# Altium PCB IntelligentCarFor51PcbDoc.PcbDoc (part 3 of 14)
Units mil, origin at the board's own origin, x right, y up, seen from the top; angles counter-clockwise.
Board outline 2298.05 x 2090.03 mil, 2 copper layers (Top Layer, Bottom Layer); 55 components, 66 nets, 258 pads, 143 vias.
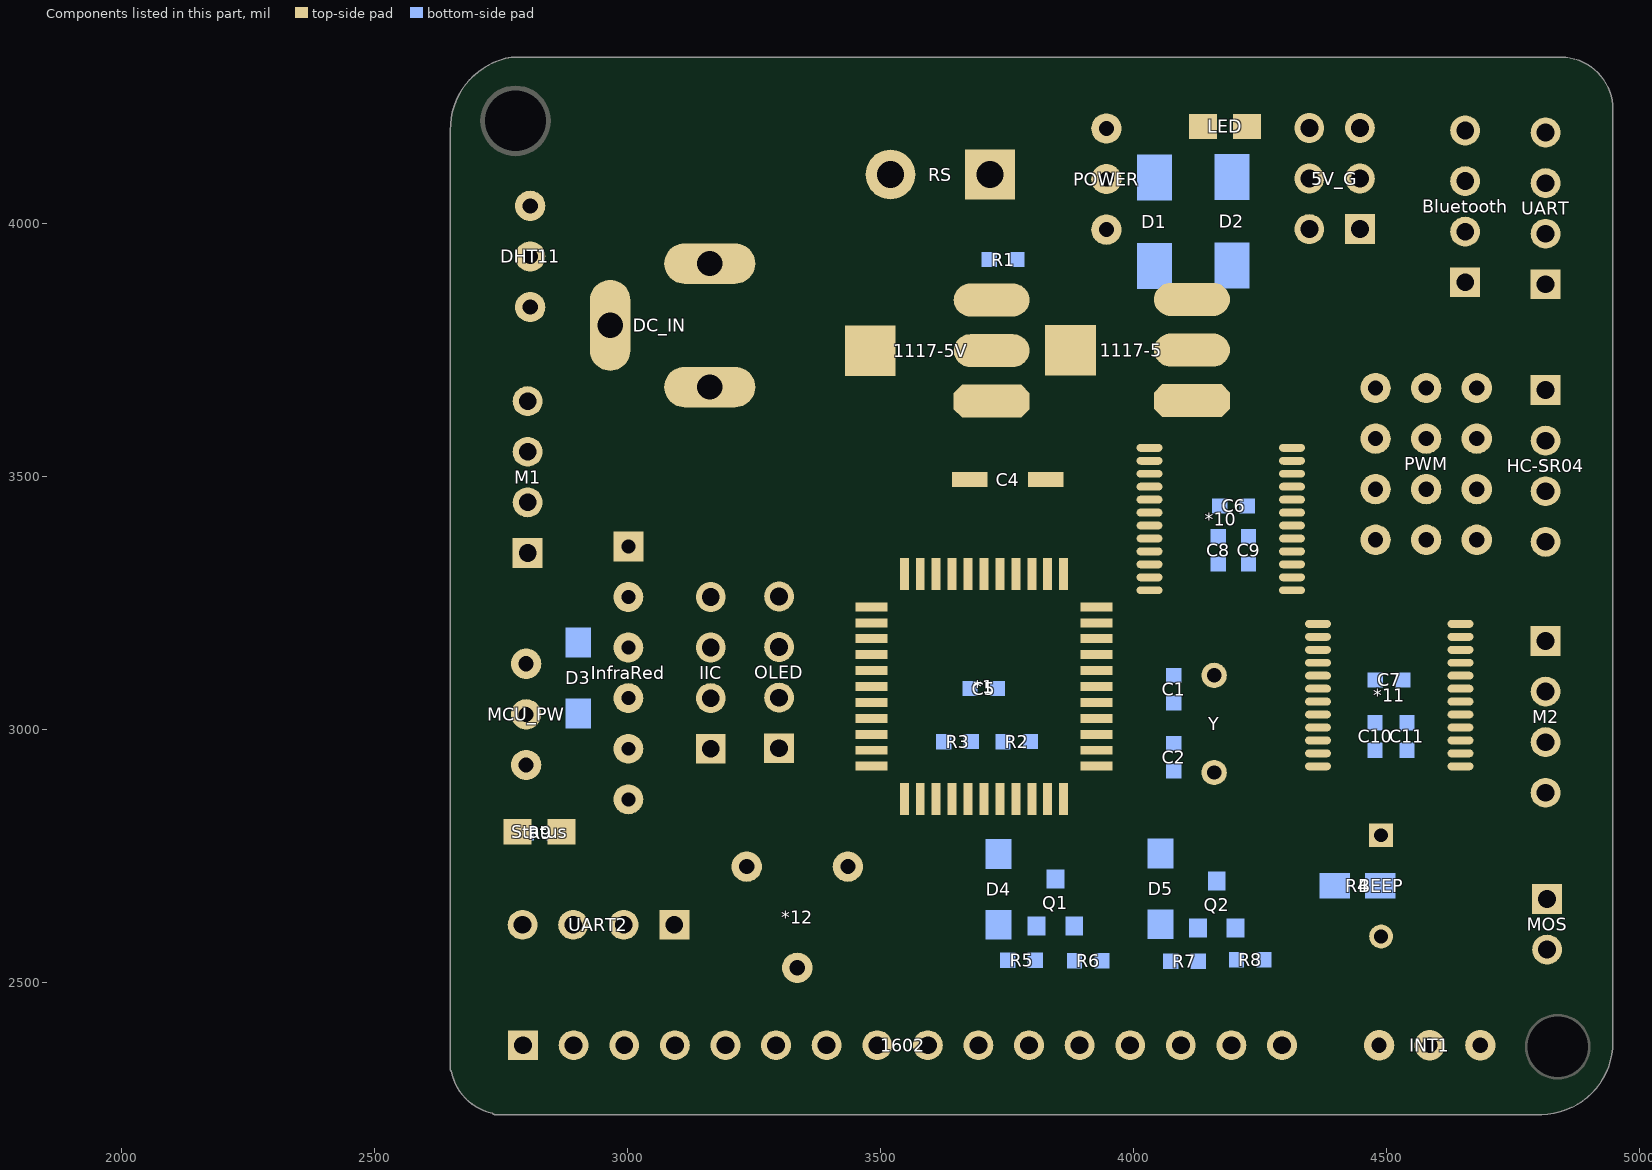
[diagram p3: the components of this part, seen from the top]

## Via types
v1: diameter 12, hole 8, Top Layer to Bottom Layer, 53 vias
v2: diameter 10, hole 7, Top Layer to Bottom Layer, 20 vias
v3: diameter 20, hole 12, Top Layer to Bottom Layer, 15 vias
v4: diameter 35, hole 25, Top Layer to Bottom Layer, 13 vias
v5: diameter 15, hole 10, Top Layer to Bottom Layer, 10 vias
v6: diameter 18, hole 12, Top Layer to Bottom Layer, 10 vias
v7: diameter 50, hole 35, Top Layer to Bottom Layer, 7 vias
v8: diameter 30, hole 20, Top Layer to Bottom Layer, 5 vias
v9: diameter 12, hole 7, Top Layer to Bottom Layer, 3 vias
v10: diameter 25, hole 18, Top Layer to Bottom Layer, 2 vias
v11: diameter 40, hole 30, Top Layer to Bottom Layer, 2 vias
v12: diameter 8, hole 7, Top Layer to Bottom Layer, 1 vias
v13: diameter 30, hole 22, Top Layer to Bottom Layer, 1 vias
v14: diameter 24, hole 18, Top Layer to Bottom Layer, 1 vias

## Nets (pads, with @x,y where several pads share a name; then routed paths per layer and width w, separated by ;. In a path a pad name is that pad's centre, name@x,y a point inside that pad or via, vN(x,y) a via of type N, cw(c..) or ccw(c..) an arc to the next point about the centre after c; other vN are vias at no path point) (continued)
copper on no net: (continued)
  Top Layer w0.3: 2080.7,3655.9 2083.4,3655.9 ; 2080.7,3669.4 2082.5,3669.4 ; 2080.7,3683.8 2082.8,3683.8 ; 2080.9,3973.9 2082.7,3973.9 ; 2080.9,3981.7 2085.4,3981.7 ; 2080.9,3982 2085.4,3982 ; 2080.9,3995.8 2085.4,3995.8 ; 2080.9,3996.1 2085.4,3996.1 ; 2080.9,4003.9 2082.7,4003.9 ; 2080.9,4013.2 2087.2,4013.2 ; 2080.9,4026.1 2088.7,4026.1 ; 2080.9,4031.5 2088.7,4031.5 ; 2080.9,4031.8 2088.7,4031.8 ; 2080.9,4070.5 2164.9,4070.5 ; 2081,3663.1 2104.7,3663.1 ; 2081,3670.9 2083.4,3670.9 ; 2081,3677.8 2083.7,3677.8 ; 2081,3684.1 2083.4,3684.1 ; 2081.2,3974.2 2082.7,3974.2 ; 2081.2,3982.3 2085.7,3982.3 ; 2081.2,3982.6 2085.7,3982.6 ; 2081.2,3995.2 2085.7,3995.2 ; 2081.2,3995.5 2085.7,3995.5 ; 2081.2,4003.6 2083,4003.6 ; 2081.2,4009.9 2084.5,4009.9 ; 2081.2,4018 2230.6,4018 ; 2081.2,4025.8 2088.4,4025.8 ; 2081.2,4032.1 2088.4,4032.1 ; 2081.3,3647.8 2085.5,3647.8 ; 2081.3,3671.2 2083.4,3671.2 ; 2081.3,3671.5 2083.4,3671.5 ; 2081.3,3677.5 2083.7,3677.5 ; 2081.5,3974.5 2083,3974.5 ; 2081.5,3982.9 2085.7,3982.9 ; 2081.5,3983.2 2086,3983.2 ; 2081.5,3983.5 2086,3983.5 ; 2081.5,3994.3 2086,3994.3 ; 2081.5,3994.6 2085.7,3994.6 ; 2081.5,3994.9 2085.7,3994.9 ; 2081.5,4003.3 2083,4003.3 ; 2081.5,4009.6 2084.8,4009.6 ; 2081.5,4012.9 2087.2,4012.9 ; 2081.5,4017.7 2230,4017.7 ; 2081.5,4025.5 2088.1,4025.5 ; 2081.5,4032.4 2088.1,4032.4 ; 2081.6,3671.8 2083.4,3671.8 ; 2081.6,3672.1 2083.4,3672.1 ; 2081.6,3676.9 2083.7,3676.9 ; 2081.6,3677.2 2083.7,3677.2 ; 2081.6,3684.4 2083.7,3684.4 ; 2081.8,3974.8 2083.3,3974.8 ; 2081.8,3983.8 2086,3983.8 ; 2081.8,3984.1 2086,3984.1 ; 2081.8,3984.4 2086.3,3984.4 ; 2081.8,3984.7 2086.3,3984.7 ; 2081.8,3993.4 2086.3,3993.4 ; 2081.8,3993.7 2086,3993.7 ; 2081.8,3994 2086,3994 ; 2081.8,4003 2083.3,4003 ; 2081.8,4009.3 2085.1,4009.3 ; 2081.8,4012.6 2087.5,4012.6 ; 2081.8,4025.2 2087.8,4025.2 ; 2081.9,3672.4 2083.7,3672.4 ; 2081.9,3672.7 2083.7,3672.7 ; 2081.9,3673 2083.7,3673 ; 2081.9,3673.3 2083.7,3673.3 ; 2081.9,3676 2083.7,3676 ; 2081.9,3676.3 2083.7,3676.3 ; 2081.9,3676.6 2083.7,3676.6 ; 2082.1,3975.1 2083.6,3975.1 ; 2082.1,3985 2086.3,3985 ; 2082.1,3985.3 2086.3,3985.3 ; 2082.1,3985.6 2086.3,3985.6 ; 2082.1,3985.9 2086.6,3985.9 ; 2082.1,3991.9 2086.3,3991.9 ; 2082.1,3992.2 2086.3,3992.2 ; 2082.1,3992.5 2086.3,3992.5 ; 2082.1,3992.8 2086.3,3992.8 ; 2082.1,3993.1 2086.3,3993.1 ; 2082.1,4002.7 2083.6,4002.7 ; 2082.1,4009 2085.4,4009 ; 2082.1,4012.3 2087.8,4012.3 ; 2082.1,4017.4 2229.7,4017.4 ; 2082.1,4032.7 2087.5,4032.7 ; 2082.2,3647.5 2087,3647.5 ; 2082.2,3673.6 2083.7,3673.6 ; 2082.2,3673.9 2083.7,3673.9 ; 2082.2,3674.2 2083.7,3674.2 ; 2082.2,3674.5 2083.7,3674.5 ; 2082.2,3674.8 2083.7,3674.8 ; 2082.2,3675.1 2083.7,3675.1 ; 2082.2,3675.4 2083.7,3675.4 ; 2082.2,3675.7 2083.7,3675.7 ; 2082.2,3684.7 2084.3,3684.7 ; 2082.4,3975.4 2083.9,3975.4 ; 2082.4,3975.7 2083.9,3975.7 ; 2082.4,3986.2 2086.6,3986.2 ; 2082.4,3986.5 2086.6,3986.5 ; 2082.4,3986.8 2086.6,3986.8 ; 2082.4,3987.1 2086.6,3987.1 ; 2082.4,3987.4 2086.6,3987.4 ; 2082.4,3987.7 2086.6,3987.7 ; 2082.4,3988 2086.6,3988 ; 2082.4,3988.3 2086.6,3988.3 ; 2082.4,3988.6 2086.6,3988.6 ; 2082.4,3988.9 2086.6,3988.9 ; 2082.4,3989.2 2086.6,3989.2 ; 2082.4,3989.5 2086.6,3989.5 ; 2082.4,3989.8 2086.6,3989.8 ; 2082.4,3990.1 2086.6,3990.1 ; 2082.4,3990.4 2086.6,3990.4 ; 2082.4,3990.7 2086.6,3990.7 ; 2082.4,3991 2086.6,3991 ; 2082.4,3991.3 2086.6,3991.3 ; 2082.4,3991.6 2086.6,3991.6 ; 2082.4,4002.4 2083.9,4002.4 ; 2082.4,4024.9 2087.2,4024.9 ; 2082.4,4033 2087.2,4033 ; 2082.5,3655.6 2083.1,3655.6 ; 2082.5,3685 2086.4,3685 ; 2082.7,3976 2084.2,3976 ; 2082.7,4001.8 2084.2,4001.8 ; 2082.7,4002.1 2083.9,4002.1 ; 2082.7,4008.7 2085.7,4008.7 ; 2082.7,4012 2088.1,4012 ; 2082.7,4017.1 2234.2,4017.1 ; 2082.7,4024.6 2086.9,4024.6 ; 2082.7,4063.6 2189.8,4063.6 ; 2082.8,3662.8 2107.1,3662.8 ; 2083,3976.3 2084.5,3976.3 ; 2083,4001.5 2084.5,4001.5 ; 2083,4008.4 2086,4008.4 ; 2083,4011.7 2088.4,4011.7 ; 2083,4016.8 2228.5,4016.8 ; 2083.1,3647.2 2088.8,3647.2 ; 2083.1,3685.3 2086.4,3685.3 ; 2083.3,3976.6 2084.5,3976.6 ; 2083.3,3976.9 2084.8,3976.9 ; 2083.3,4000.9 2084.8,4000.9 ; 2083.3,4001.2 2084.5,4001.2 ; 2083.3,4008.1 2086.3,4008.1 ; 2083.3,4011.4 2088.7,4011.4 ; 2083.3,4033.3 2086.3,4033.3 ; 2083.6,3977.2 2085.1,3977.2 ; 2083.6,4000.6 2085.1,4000.6 ; 2083.6,4007.8 2086.6,4007.8 ; 2083.6,4016.5 2227.9,4016.5 ; 2083.7,3685.6 2086.4,3685.6 ; 2083.9,3977.5 2085.1,3977.5 ; 2083.9,3977.8 2085.4,3977.8 ; 2083.9,4000 2085.4,4000 ; 2083.9,4000.3 2085.1,4000.3 ; 2083.9,4007.5 2086.9,4007.5 ; 2083.9,4011.1 2089,4011.1 ; 2083.9,4016.2 2235.1,4016.2 ; 2083.9,4024.3 2085.7,4024.3 ; 2084,3685.9 2086.4,3685.9 ; 2084.2,3978.1 2085.4,3978.1 ; 2084.2,3999.7 2085.4,3999.7 ; 2084.2,4006.9 2087.2,4006.9 ; 2084.2,4007.2 2086.9,4007.2 ; 2084.2,4010.8 2089.3,4010.8 ; 2084.3,3646.9 2090,3646.9 ; 2084.3,3666.1 2086.7,3666.1 ; 2084.5,3978.4 2085.7,3978.4 ; 2084.5,3978.7 2085.7,3978.7 ; 2084.5,3999.1 2085.7,3999.1 ; 2084.5,3999.4 2085.7,3999.4 ; 2084.5,4006.6 2087.5,4006.6 ; 2084.5,4010.5 2089.3,4010.5 ; 2084.5,4015.9 2227,4015.9 ; 2084.6,3656.2 2090.9,3656.2 ; 2084.6,3657.1 2090.9,3657.1 ; 2084.6,3657.4 2090.9,3657.4 ; 2084.6,3657.7 2090.9,3657.7 ; 2084.6,3658 2090.9,3658 ; 2084.6,3658.9 2090,3658.9 ; 2084.6,3662.5 2109.8,3662.5 ; 2084.6,3686.2 2086.4,3686.2 ; 2084.8,3979 2086,3979 ; 2084.8,3979.3 2086,3979.3 ; 2084.8,3998.5 2086,3998.5 ; 2084.8,3998.8 2086,3998.8 ; 2084.8,4006.3 2087.5,4006.3 ; 2084.8,4010.2 2089.6,4010.2 ; 2084.8,4015.6 2235.7,4015.6 ; 2084.9,3654.7 2090.6,3654.7 ; 2084.9,3655 2090.6,3655 ; 2084.9,3655.3 2090.6,3655.3 ; 2084.9,3655.6 2090.6,3655.6 ; 2084.9,3655.9 2090.9,3655.9 ; 2084.9,3656.5 2090.9,3656.5 ; 2084.9,3656.8 2090.9,3656.8 ; 2084.9,3658.3 2090.6,3658.3 ; 2084.9,3658.6 2090.6,3658.6 ; 2084.9,3659.2 2089.1,3659.2 ; 2084.9,3659.5 2087.6,3659.5 ; 2084.9,3659.8 2086.7,3659.8 ; 2084.9,3660.1 2085.5,3660.1 ; 2084.9,3666.4 2086.7,3666.4 ; 2084.9,3666.7 2086.4,3666.7 ; 2084.9,3667 2086.4,3667 ; 2084.9,3667.3 2086.4,3667.3 ; 2084.9,3667.6 2086.4,3667.6 ; 2084.9,3667.9 2086.4,3667.9 ; 2084.9,3668.2 2086.4,3668.2 ; 2084.9,3686.5 2086.4,3686.5 ; 2085.1,3979.6 2086.3,3979.6 ; 2085.1,3979.9 2086.3,3979.9 ; 2085.1,3997.9 2086.3,3997.9 ; 2085.1,3998.2 2086.3,3998.2 ; 2085.1,4006 2087.8,4006 ; 2085.1,4009.9 2089.9,4009.9 ; 2085.1,4015.3 2226.1,4015.3 ; 2085.2,3654.1 2090.6,3654.1 ; 2085.2,3654.4 2090.6,3654.4 ; 2085.2,3668.5 2086.4,3668.5 ; 2085.2,3668.8 2086.4,3668.8 ; 2085.2,3669.1 2086.4,3669.1 ; 2085.2,3669.4 2086.4,3669.4 ; 2085.2,3669.7 2086.4,3669.7 ; 2085.2,3670 2086.4,3670 ; 2085.2,3670.3 2086.4,3670.3 ; 2085.2,3670.6 2086.4,3670.6 ; 2085.2,3670.9 2086.4,3670.9 ; 2085.2,3671.2 2086.4,3671.2 ; 2085.2,3671.5 2086.4,3671.5 ; 2085.2,3671.8 2086.4,3671.8 ; 2085.2,3672.1 2086.1,3672.1 ; 2085.2,3672.4 2086.1,3672.4 ; 2085.2,3672.7 2086.1,3672.7 ; 2085.2,3673 2086.1,3673 ; 2085.2,3673.3 2086.1,3673.3 ; 2085.2,3673.6 2086.1,3673.6 ; 2085.2,3673.9 2086.1,3673.9 ; 2085.2,3674.2 2086.1,3674.2 ; 2085.2,3674.5 2086.1,3674.5 ; 2085.2,3674.8 2086.1,3674.8 ; 2085.2,3675.1 2086.1,3675.1 ; 2085.2,3675.4 2086.1,3675.4 ; 2085.2,3675.7 2086.1,3675.7 ; 2085.2,3676 2086.1,3676 ; 2085.2,3676.3 2086.1,3676.3 ; 2085.2,3676.6 2086.1,3676.6 ; 2085.2,3676.9 2086.1,3676.9 ; 2085.2,3677.2 2086.1,3677.2 ; 2085.2,3677.5 2086.1,3677.5 ; 2085.2,3677.8 2086.1,3677.8 ; 2085.2,3678.1 2086.1,3678.1 ; 2085.2,3678.4 2086.1,3678.4 ; 2085.2,3678.7 2086.1,3678.7 ; 2085.2,3679 2086.1,3679 ; 2085.2,3679.3 2086.1,3679.3 ; 2085.2,3679.6 2086.1,3679.6 ; 2085.2,3679.9 2086.1,3679.9 ; 2085.2,3680.2 2086.1,3680.2 ; 2085.2,3680.5 2086.1,3680.5 ; 2085.2,3680.8 2086.1,3680.8 ; 2085.2,3681.1 2086.1,3681.1 ; 2085.2,3681.4 2086.1,3681.4 ; 2085.2,3681.7 2086.1,3681.7 ; 2085.2,3682 2086.1,3682 ; 2085.2,3682.3 2086.1,3682.3 ; 2085.2,3682.6 2086.1,3682.6 ; 2085.2,3682.9 2086.4,3682.9 ; 2085.2,3683.2 2086.1,3683.2 ; 2085.2,3683.5 2086.4,3683.5 ; 2085.2,3683.8 2086.4,3683.8 ; 2085.2,3684.1 2086.4,3684.1 ; 2085.2,3684.4 2086.4,3684.4 ; 2085.2,3684.7 2086.4,3684.7 ; 2085.2,3686.8 2086.4,3686.8 ; 2085.2,3687.1 2086.4,3687.1 ; 2085.2,3687.4 2086.4,3687.4 ; 2085.2,3687.7 2086.4,3687.7 ; 2085.2,3688 2086.4,3688 ; 2085.2,3688.3 2086.4,3688.3 ; 2085.4,3980.2 2086.6,3980.2 ; 2085.4,3980.5 2086.6,3980.5 ; 2085.4,3980.8 2086.9,3980.8 ; 2085.4,3997 2086.9,3997 ; 2085.4,3997.3 2086.6,3997.3 ; 2085.4,3997.6 2086.6,3997.6 ; 2085.4,4005.4 2088.1,4005.4 ; 2085.4,4005.7 2088.1,4005.7 ; 2085.4,4009.6 2090.2,4009.6 ; 2085.4,4015 2225.8,4015 ; 2085.5,3646.6 2091.5,3646.6 ; 2085.5,3688.6 2086.4,3688.6 ; 2085.5,3688.9 2086.7,3688.9 ; 2085.5,3689.2 2086.7,3689.2 ; 2085.5,3689.5 2086.7,3689.5 ; 2085.5,3689.8 2086.7,3689.8 ; 2085.5,3690.1 2086.7,3690.1 ; 2085.5,3690.4 2086.7,3690.4 ; 2085.7,3981.1 2086.9,3981.1 ; 2085.7,3981.4 2086.9,3981.4 ; 2085.7,3996.4 2086.9,3996.4 ; 2085.7,3996.7 2086.9,3996.7 ; 2085.7,4005.1 2088.4,4005.1 ; 2085.7,4009.3 2090.2,4009.3 ; 2085.7,4014.7 2225.5,4014.7 ; 2085.7,4024 2128.6,4024 ; 2085.8,3653.8 2090.3,3653.8 ; 2085.8,3690.7 2086.7,3690.7 ; 2085.8,3691 2086.7,3691 ; 2085.8,3691.3 2087,3691.3 ; 2085.8,3691.6 2087,3691.6 ; 2085.8,3691.9 2087,3691.9 ; 2085.8,3692.2 2087,3692.2 ; 2086,3981.7 2087.2,3981.7 ; 2086,3982 2087.2,3982 ; 2086,3982.3 2087.2,3982.3 ; 2086,3995.5 2087.2,3995.5 ; 2086,3995.8 2087.2,3995.8 ; 2086,3996.1 2087.2,3996.1 ; 2086,4004.5 2088.7,4004.5 ; 2086,4004.8 2088.7,4004.8 ; 2086,4009 2090.5,4009 ; 2086.1,3692.5 2087,3692.5 ; 2086.1,3692.8 2087,3692.8 ; 2086.1,3693.1 2087.3,3693.1 ; 2086.1,3693.4 2087.3,3693.4 ; 2086.1,3693.7 2087.3,3693.7 ; 2086.3,3982.6 2087.5,3982.6 ; 2086.3,3982.9 2089.3,3982.9 ; 2086.3,3983.2 2224.6,3983.2 ; 2086.3,3983.5 2220.1,3983.5 ; 2086.3,3994.6 2087.5,3994.6 ; 2086.3,3994.9 2087.5,3994.9 ; 2086.3,3995.2 2087.5,3995.2 ; 2086.3,4004.2 2089,4004.2 ; 2086.3,4008.4 2090.8,4008.4 ; 2086.3,4008.7 2090.8,4008.7 ; 2086.3,4014.4 2225.2,4014.4 ; 2086.4,3662.2 2112.5,3662.2 ; 2086.4,3694 2087.3,3694 ; 2086.4,3694.3 2087.3,3694.3 ; 2086.4,3694.6 2087.6,3694.6 ; 2086.4,3694.9 2087.6,3694.9 ; 2086.4,3695.2 2087.6,3695.2 ; 2086.6,3983.8 2220.1,3983.8 ; 2086.6,3984.1 2087.8,3984.1 ; 2086.6,3984.4 2087.8,3984.4 ; 2086.6,3984.7 2087.8,3984.7 ; 2086.6,3993.1 2087.8,3993.1 ; 2086.6,3993.4 2087.8,3993.4 ; 2086.6,3993.7 2087.8,3993.7 ; 2086.6,3994 2087.8,3994 ; 2086.6,3994.3 2087.8,3994.3 ; 2086.6,4003.9 2089.3,4003.9 ; 2086.6,4008.1 2091.1,4008.1 ; 2086.6,4014.1 2236.9,4014.1 ; 2086.6,4033.6 2121.1,4033.6 ; 2086.7,3695.5 2087.6,3695.5 ; 2086.7,3695.8 2087.6,3695.8 ; 2086.7,3696.1 2087.9,3696.1 ; 2086.7,3696.4 2087.9,3696.4 ; 2086.9,3985 2088.1,3985 ; 2086.9,3985.3 2088.1,3985.3 ; 2086.9,3985.6 2088.1,3985.6 ; 2086.9,3985.9 2088.1,3985.9 ; 2086.9,3986.2 2088.1,3986.2 ; 2086.9,3986.5 2088.1,3986.5 ; 2086.9,3986.8 2088.1,3986.8 ; 2086.9,3987.1 2088.1,3987.1 ; 2086.9,3991 2088.1,3991 ; 2086.9,3991.3 2088.1,3991.3 ; 2086.9,3991.6 2088.1,3991.6 ; 2086.9,3991.9 2088.1,3991.9 ; 2086.9,3992.2 2088.1,3992.2 ; 2086.9,3992.5 2088.1,3992.5 ; 2086.9,3992.8 2087.8,3992.8 ; 2086.9,4003.3 2089.6,4003.3 ; 2086.9,4003.6 2089.3,4003.6 ; 2086.9,4007.8 2091.4,4007.8 ; 2086.9,4013.8 2232.4,4013.8 ; 2086.9,4024.3 2127.7,4024.3 ; 2087,3646.3 2093.3,3646.3 ; 2087,3653.5 2090,3653.5 ; 2087,3696.7 2087.9,3696.7 ; 2087,3697 2087.9,3697 ; 2087,3697.3 2087.9,3697.3 ; 2087,3697.6 2088.2,3697.6 ; 2087,3697.9 2088.2,3697.9 ; 2087.2,3987.4 2088.1,3987.4 ; 2087.2,3987.7 2088.4,3987.7 ; 2087.2,3988 2088.4,3988 ; 2087.2,3988.3 2088.4,3988.3 ; 2087.2,3988.6 2088.4,3988.6 ; 2087.2,3988.9 2088.4,3988.9 ; 2087.2,3989.2 2088.4,3989.2 ; 2087.2,3989.5 2088.4,3989.5 ; 2087.2,3989.8 2088.4,3989.8 ; 2087.2,3990.1 2088.4,3990.1 ; 2087.2,3990.4 2088.1,3990.4 ; 2087.2,3990.7 2088.1,3990.7 ; 2087.2,4002.7 2089.9,4002.7 ; 2087.2,4003 2089.6,4003 ; 2087.2,4007.5 2091.4,4007.5 ; 2087.2,4013.5 2224,4013.5 ; 2087.2,4033.3 2120.8,4033.3 ; 2087.3,3698.2 2088.2,3698.2 ; 2087.3,3698.5 2088.2,3698.5 ; 2087.3,3698.8 2088.2,3698.8 ; 2087.3,3699.1 2088.5,3699.1 ; 2087.5,4002.1 2090.2,4002.1 ; 2087.5,4002.4 2089.9,4002.4 ; 2087.5,4006.9 2092,4006.9 ; 2087.5,4007.2 2091.7,4007.2 ; 2087.5,4013.2 2223.7,4013.2 ; 2087.5,4024.6 2127.4,4024.6 ; 2087.5,4033 2179.3,4033 ; 2087.6,3699.4 2088.5,3699.4 ; 2087.6,3699.7 2088.5,3699.7 ; 2087.6,3700 2088.8,3700 ; 2087.6,3700.3 2088.8,3700.3 ; 2087.8,4001.5 2090.5,4001.5 ; 2087.8,4001.8 2090.2,4001.8 ; 2087.8,4006.6 2092,4006.6 ; 2087.8,4012.9 2223.4,4012.9 ; 2087.8,4024.9 2126.8,4024.9 ; 2087.8,4037.8 2124.1,4037.8 ; 2087.9,3700.6 2088.8,3700.6 ; 2087.9,3700.9 2088.8,3700.9 ; 2087.9,3701.2 2089.1,3701.2 ; 2087.9,3701.5 2089.1,3701.5 ; 2088.1,4000.9 2090.5,4000.9 ; 2088.1,4001.2 2090.5,4001.2 ; 2088.1,4006 2092.3,4006 ; 2088.1,4006.3 2092.3,4006.3 ; 2088.1,4012.6 2223.1,4012.6 ; 2088.1,4032.7 2182.9,4032.7 ; 2088.1,4036.9 2106.1,4036.9 ; 2088.2,3701.8 2089.1,3701.8 ; 2088.2,3702.1 2089.4,3702.1 ; 2088.2,3702.4 2089.4,3702.4 ; 2088.4,4000 2091.1,4000 ; 2088.4,4000.3 2090.8,4000.3 ; 2088.4,4000.6 2090.8,4000.6 ; 2088.4,4005.7 2092.6,4005.7 ; 2088.4,4012.3 2222.8,4012.3 ; 2088.4,4025.2 2126.5,4025.2 ; 2088.4,4032.4 2120.2,4032.4 ; 2088.5,3702.7 2089.4,3702.7 ; 2088.5,3703 2089.7,3703 ; 2088.5,3703.3 2089.7,3703.3 ; 2088.5,3703.6 2089.7,3703.6 ; 2088.7,3999.4 2091.1,3999.4 ; 2088.7,3999.7 2091.1,3999.7 ; 2088.7,4005.1 2092.9,4005.1 ; 2088.7,4005.4 2092.6,4005.4 ; 2088.7,4011.7 2229.1,4011.7 ; 2088.7,4012 2229.4,4012 ; 2088.7,4025.5 2126.2,4025.5 ; 2088.7,4025.8 2263.6,4025.8 ; 2088.7,4032.1 2119.9,4032.1 ; 2088.8,3646 2095.7,3646 ; 2088.8,3703.9 2090,3703.9 ; 2088.8,3704.2 2090,3704.2 ; 2088.8,3704.5 2090,3704.5 ; 2089,3998.5 2091.4,3998.5 ; 2089,3998.8 2091.4,3998.8 ; 2089,3999.1 2091.4,3999.1 ; 2089,4004.8 2092.9,4004.8 ; 2089,4011.4 2232.7,4011.4 ; 2089,4026.1 2124.1,4026.1 ; 2089,4031.8 2183.8,4031.8 ; 2089,4070.8 2158.6,4070.8 ; 2089.1,3661.9 2115.2,3661.9 ; 2089.1,3704.8 2090.3,3704.8 ; 2089.1,3705.1 2090.6,3705.1 ; 2089.3,3984.1 2220.1,3984.1 ; 2089.3,3997.6 2091.7,3997.6 ; 2089.3,3997.9 2091.7,3997.9 ; 2089.3,3998.2 2091.7,3998.2 ; 2089.3,4004.2 2093.2,4004.2 ; 2089.3,4004.5 2093.2,4004.5 ; 2089.3,4011.1 2228.2,4011.1 ; 2089.3,4026.4 2123.5,4026.4 ; 2089.3,4026.7 2123.2,4026.7 ; 2089.3,4031.2 2183.5,4031.2 ; 2089.3,4031.5 2119.6,4031.5 ; 2089.4,3705.4 2090.6,3705.4 ; 2089.6,3996.7 2092,3996.7 ; 2089.6,3997 2092,3997 ; 2089.6,3997.3 2092,3997.3 ; 2089.6,4003.6 2093.5,4003.6 ; 2089.6,4003.9 2093.5,4003.9 ; 2089.6,4010.8 2221.6,4010.8 ; 2089.6,4027 2123.2,4027 ; 2089.6,4027.3 2123.2,4027.3 ; 2089.6,4030.3 2183.5,4030.3 ; 2089.6,4030.6 2221.9,4030.6 ; 2089.6,4030.9 2119.3,4030.9 ; 2089.7,3681.1 2095.1,3681.1 ; 2089.7,3681.4 2095.1,3681.4 ; 2089.7,3681.7 2095.1,3681.7 ; 2089.7,3682 2095.1,3682 ; 2089.7,3682.3 2095.4,3682.3 ; 2089.7,3682.6 2095.4,3682.6 ; 2089.7,3682.9 2095.7,3682.9 ; 2089.7,3683.2 2124.2,3683.2 ; 2089.7,3705.7 2090.9,3705.7 ; 2089.9,3995.5 2092.3,3995.5 ; 2089.9,3995.8 2092.3,3995.8 ; 2089.9,3996.1 2092.3,3996.1 ; 2089.9,3996.4 2092.3,3996.4 ; 2089.9,4003 2093.8,4003 ; 2089.9,4003.3 2093.8,4003.3 ; 2089.9,4010.2 2221,4010.2 ; 2089.9,4010.5 2221.3,4010.5 ; 2089.9,4027.6 2123.2,4027.6 ; 2089.9,4027.9 2123.2,4027.9 ; 2089.9,4028.2 2123.5,4028.2 ; 2089.9,4028.5 2125.9,4028.5 ; 2089.9,4028.8 2134.3,4028.8 ; 2089.9,4029.1 2126.2,4029.1 ; 2089.9,4029.4 2126.5,4029.4 ; 2089.9,4029.7 2127.1,4029.7 ; 2089.9,4030 2127.4,4030 ; 2090,3680.5 2094.2,3680.5 ; 2090,3680.8 2094.8,3680.8 ; 2090,3683.5 2123.9,3683.5 ; 2090,3683.8 2119.1,3683.8 ; 2090,3687.1 2095.1,3687.1 ; 2090,3687.4 2095.4,3687.4 ; 2090,3687.7 2095.4,3687.7 ; 2090,3688 2095.4,3688 ; 2090,3688.3 2095.4,3688.3 ; 2090,3688.6 2095.7,3688.6 ; 2090,3688.9 2095.7,3688.9 ; 2090,3689.2 2095.7,3689.2 ; 2090,3706 2091.2,3706 ; 2090.2,3994.3 2092.6,3994.3 ; 2090.2,3994.6 2092.6,3994.6 ; 2090.2,3994.9 2092.6,3994.9 ; 2090.2,3995.2 2092.6,3995.2 ; 2090.2,4002.4 2094.1,4002.4 ; 2090.2,4002.7 2094.1,4002.7 ; 2090.2,4009.9 2221,4009.9 ; 2090.3,3686.8 2095.1,3686.8 ; 2090.3,3689.5 2096,3689.5 ; 2090.3,3693.4 2095.1,3693.4 ; 2090.3,3693.7 2095.1,3693.7 ; 2090.3,3694 2095.4,3694 ; 2090.3,3694.3 2095.4,3694.3 ; 2090.3,3694.6 2095.4,3694.6 ; 2090.3,3694.9 2095.4,3694.9 ; 2090.3,3706.3 2091.5,3706.3 ; 2090.5,3992.8 2092.9,3992.8 ; 2090.5,3993.1 2092.9,3993.1 ; 2090.5,3993.4 2092.9,3993.4 ; 2090.5,3993.7 2092.9,3993.7 ; 2090.5,3994 2092.6,3994 ; 2090.5,4001.8 2094.4,4001.8 ; 2090.5,4002.1 2094.1,4002.1 ; 2090.5,4009.6 2220.7,4009.6 ; 2090.6,3645.7 2098.4,3645.7 ; 2090.6,3680.2 2093.6,3680.2 ; 2090.6,3684.1 2104.7,3684.1 ; 2090.6,3686.5 2094.2,3686.5 ; 2090.6,3689.8 2125.1,3689.8 ; 2090.6,3692.8 2093.9,3692.8 ; 2090.6,3693.1 2094.5,3693.1 ; 2090.6,3695.2 2095.7,3695.2 ; 2090.6,3695.5 2095.7,3695.5 ; 2090.6,3706.6 2092.1,3706.6 ; 2090.8,3991 2092,3991 ; 2090.8,3991.3 2093.2,3991.3 ; 2090.8,3991.6 2093.2,3991.6 ; 2090.8,3991.9 2093.2,3991.9 ; 2090.8,3992.2 2092.9,3992.2 ; 2090.8,3992.5 2092.9,3992.5 ; 2090.8,4001.2 2094.7,4001.2 ; 2090.8,4001.5 2094.4,4001.5 ; 2090.8,4009 2226.1,4009 ; 2090.8,4009.3 2220.4,4009.3 ; 2090.9,3695.8 2096,3695.8 ; 2090.9,3696.1 2107.4,3696.1 ; 2090.9,3706.9 2092.7,3706.9 ; 2091.1,3988.3 2220.4,3988.3 ; 2091.1,3988.6 2215.3,3988.6 ; 2091.1,3988.9 2203.3,3988.9 ; 2091.1,3989.2 2188.6,3989.2 ; 2091.1,3989.5 2175.7,3989.5 ; 2091.1,3989.8 2161,3989.8 ; 2091.1,3990.1 2144.5,3990.1 ; 2091.1,3990.4 2128.9,3990.4 ; 2091.1,3990.7 2109.4,3990.7 ; 2091.1,4000.3 2095,4000.3 ; 2091.1,4000.6 2094.7,4000.6 ; 2091.1,4000.9 2094.7,4000.9 ; 2091.1,4008.7 2220.1,4008.7 ; 2091.2,3700.3 2095.7,3700.3 ; 2091.2,3700.6 2095.7,3700.6 ; 2091.2,3700.9 2095.7,3700.9 ; 2091.4,3984.4 2220.1,3984.4 ; 2091.4,3984.7 2220.4,3984.7 ; 2091.4,3985 2220.1,3985 ; 2091.4,3985.3 2220.1,3985.3 ; 2091.4,3985.6 2220.4,3985.6 ; 2091.4,3985.9 2220.4,3985.9 ; 2091.4,3986.2 2220.4,3986.2 ; 2091.4,3986.5 2220.4,3986.5 ; 2091.4,3986.8 2220.4,3986.8 ; 2091.4,3987.1 2220.4,3987.1 ; 2091.4,3987.4 2220.4,3987.4 ; 2091.4,3987.7 2220.4,3987.7 ; 2091.4,3988 2220.4,3988 ; 2091.4,3999.7 2095,3999.7 ; 2091.4,4000 2095,4000 ; 2091.4,4008.1 2225.2,4008.1 ; 2091.4,4008.4 2219.8,4008.4 ; 2091.5,3690.1 2125.1,3690.1 ; 2091.5,3692.5 2092.1,3692.5 ; 2091.5,3696.4 2107.7,3696.4 ; 2091.5,3699.7 2095.4,3699.7 ; 2091.5,3700 2095.7,3700 ; 2091.5,3701.2 2095.7,3701.2 ; 2091.5,3701.5 2095.7,3701.5 ; 2091.5,3701.8 2096,3701.8 ; 2091.5,3702.1 2096,3702.1 ; 2091.5,3707.2 2093.3,3707.2 ; 2091.7,3981.4 2220.1,3981.4 ; 2091.7,3981.7 2220.1,3981.7 ; 2091.7,3982 2220.1,3982 ; 2091.7,3982.3 2222.5,3982.3 ; 2091.7,3982.6 2224.9,3982.6 ; 2091.7,3982.9 2224.9,3982.9 ; 2091.7,3998.8 2095.3,3998.8 ; 2091.7,3999.1 2095.3,3999.1 ; 2091.7,3999.4 2095.3,3999.4 ; 2091.7,4007.5 2224.6,4007.5 ; 2091.7,4007.8 2219.5,4007.8 ; 2091.8,3661.6 2118.2,3661.6 ; 2091.8,3699.4 2095.1,3699.4 ; 2091.8,3702.4 2096,3702.4 ; 2091.8,3702.7 2096.3,3702.7 ; 2091.8,3703 2107.7,3703 ; 2091.8,3707.5 2094.2,3707.5 ; 2092,3981.1 2220.1,3981.1 ; 2092,3997.9 2095.6,3997.9 ; 2092,3998.2 2095.6,3998.2 ; 2092,3998.5 2095.6,3998.5 ; 2092,4007.2 2227.3,4007.2 ; 2092.3,3996.7 2095.9,3996.7 ; 2092.3,3997 2095.9,3997 ; 2092.3,3997.3 2095.9,3997.3 ; 2092.3,3997.6 2095.9,3997.6 ; 2092.3,4006.6 2218.9,4006.6 ; 2092.3,4006.9 2227.3,4006.9 ; 2092.4,3645.4 2100.5,3645.4 ; 2092.4,3696.7 2119.1,3696.7 ; 2092.4,3699.1 2093.9,3699.1 ; 2092.4,3703.3 2108.3,3703.3 ; 2092.4,3707.8 2094.8,3707.8 ; 2092.6,3995.5 2096.2,3995.5 ; 2092.6,3995.8 2096.2,3995.8 ; 2092.6,3996.1 2096.2,3996.1 ; 2092.6,3996.4 2096.2,3996.4 ; 2092.6,4006 2226.4,4006 ; 2092.6,4006.3 2223.7,4006.3 ; 2092.9,3994 2096.5,3994 ; 2092.9,3994.3 2096.5,3994.3 ; 2092.9,3994.6 2096.5,3994.6 ; 2092.9,3994.9 2096.5,3994.9 ; 2092.9,3995.2 2096.5,3995.2 ; 2092.9,4005.4 2223.1,4005.4 ; 2092.9,4005.7 2226.1,4005.7 ; 2093,3645.1 2102.3,3645.1 ; 2093,3708.1 2095.4,3708.1 ; 2093.2,3992.2 2096.8,3992.2 ; 2093.2,3992.5 2096.8,3992.5 ; 2093.2,3992.8 2096.8,3992.8 ; 2093.2,3993.1 2096.8,3993.1 ; 2093.2,3993.4 2096.8,3993.4 ; 2093.2,3993.7 2096.8,3993.7 ; 2093.2,4004.8 2222.8,4004.8 ; 2093.2,4005.1 2218,4005.1 ; 2093.3,3644.8 2104.4,3644.8 ; 2093.3,3690.4 2124.8,3690.4 